# Altium PCB STB_LightBoard.PcbDoc (part 26 of 31) (continued)
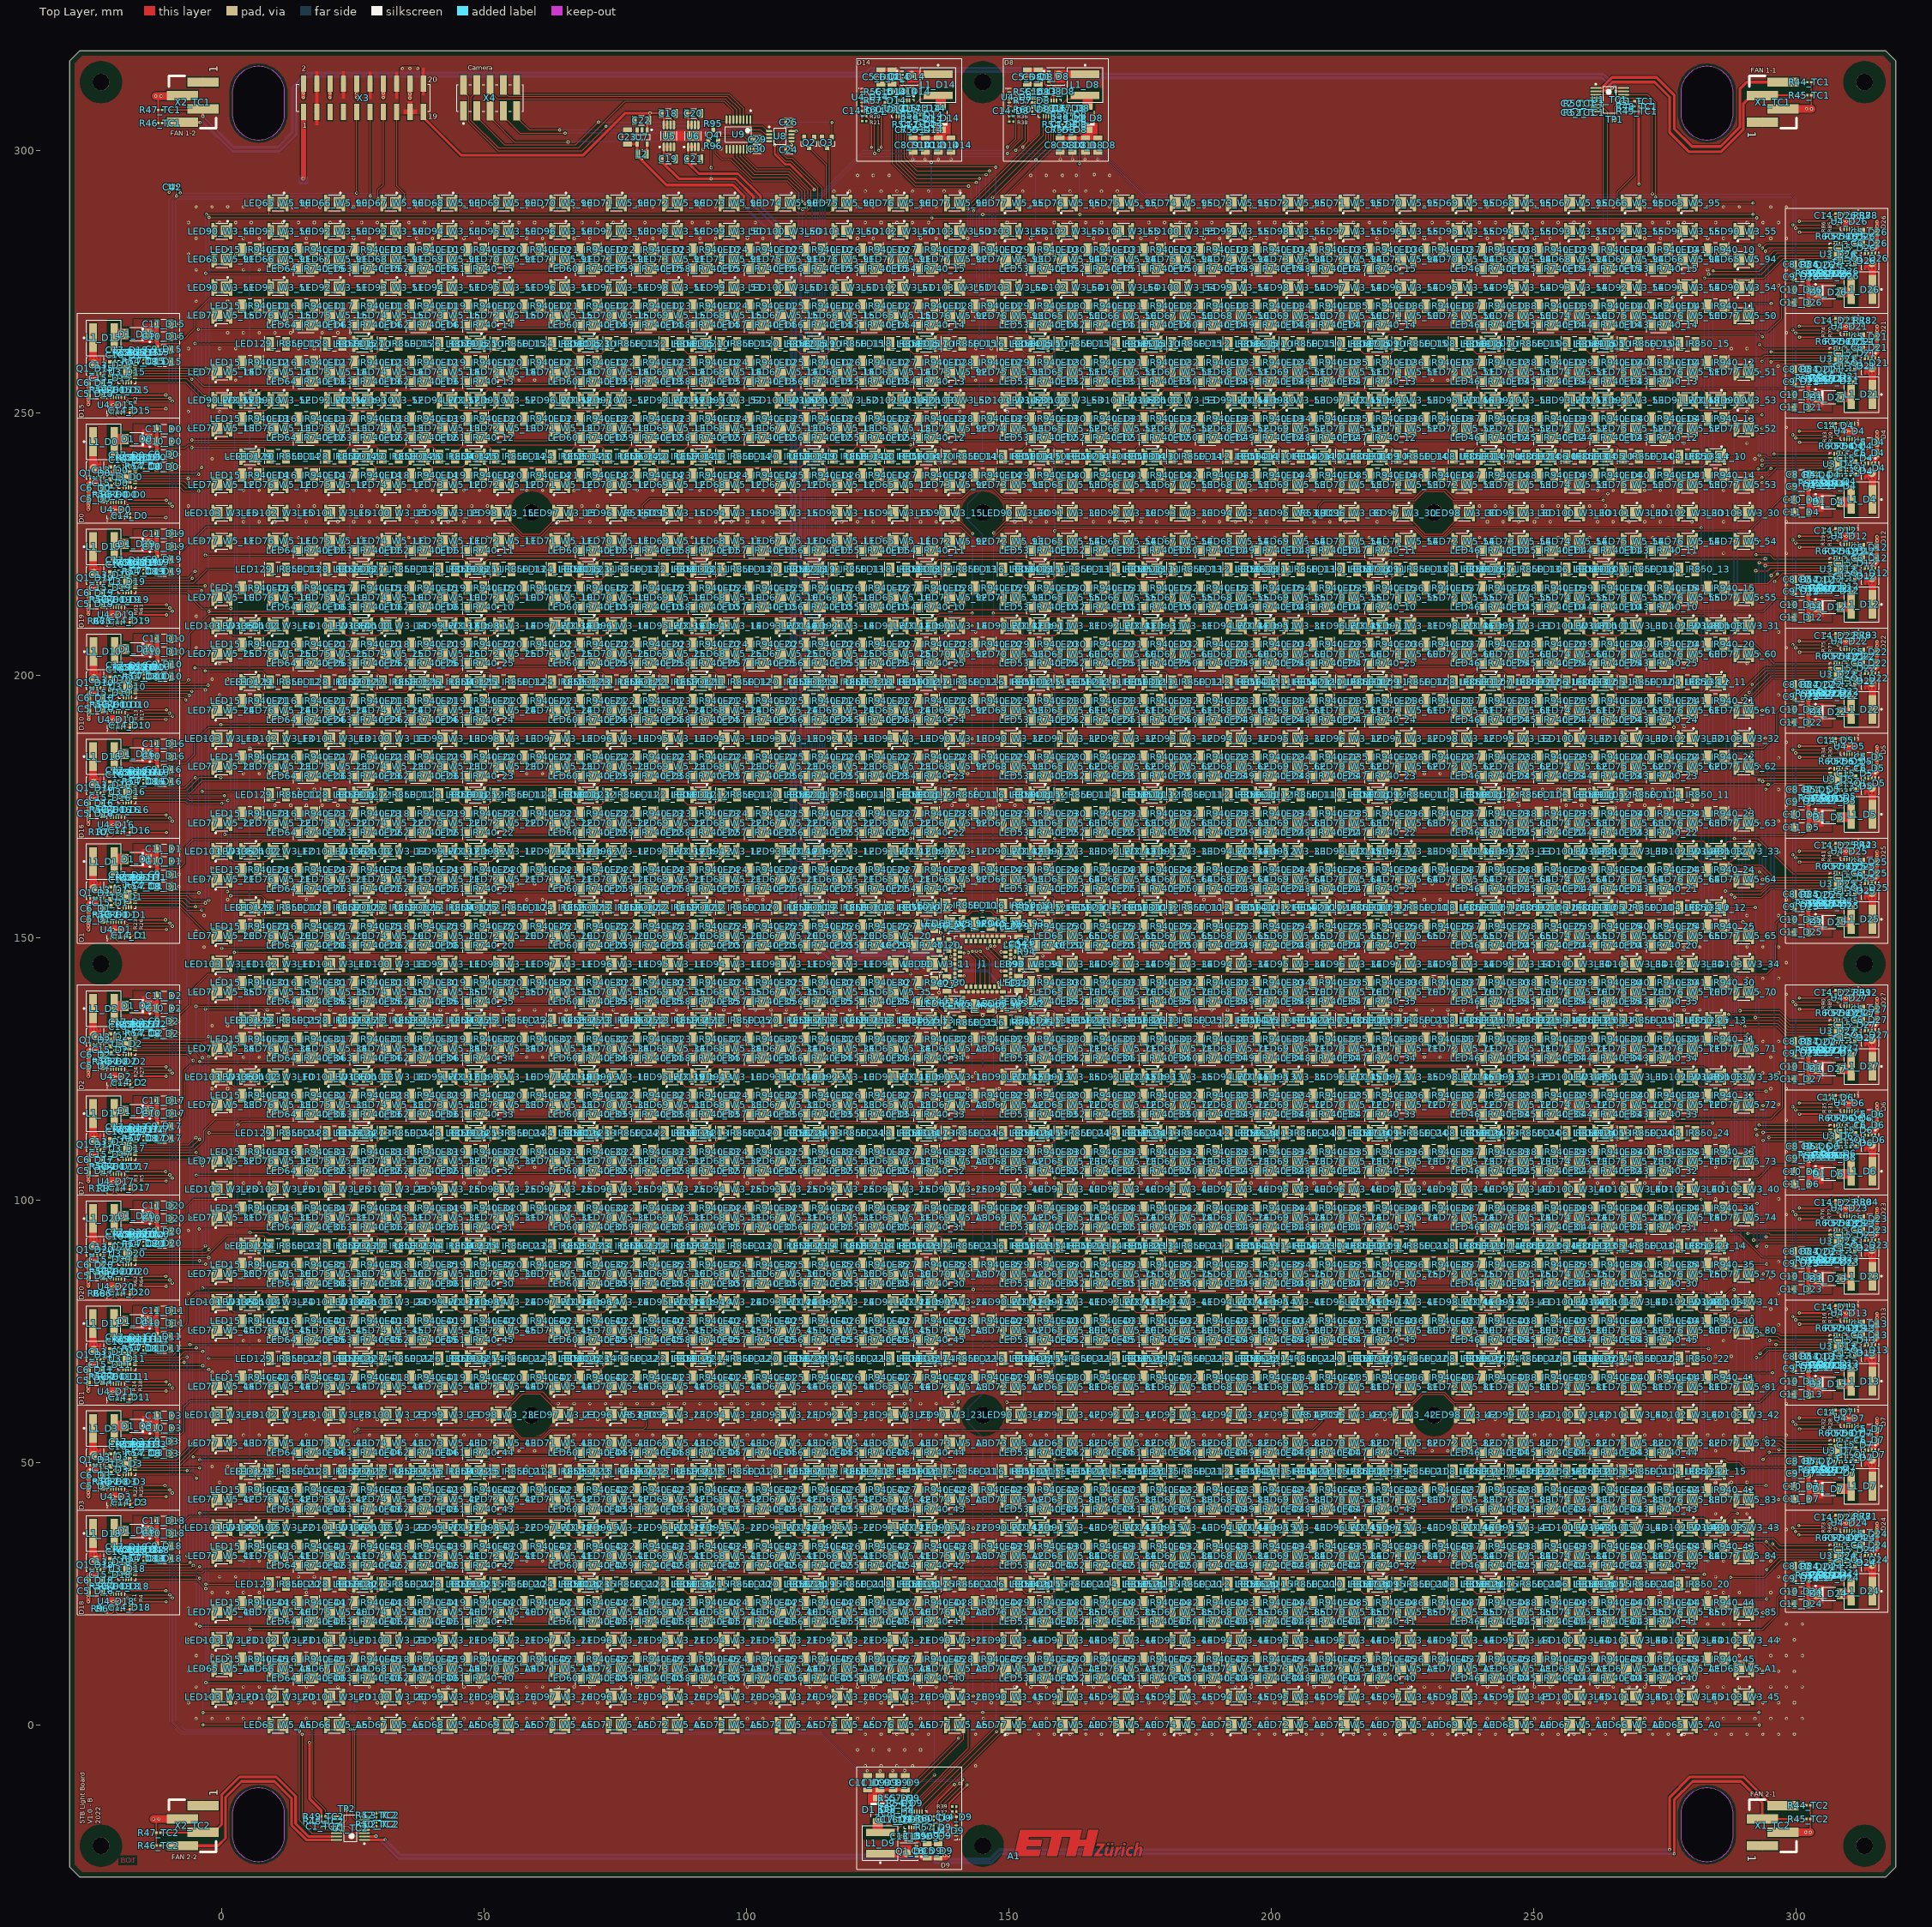
[diagram p0: Top Layer view]
## Nets (pads, with @x,y where several pads share a name; then routed paths per layer and width w, separated by ;. In a path a pad name is that pad's centre, name@x,y a point inside that pad or via, vN(x,y) a via of type N, cw(c..) or ccw(c..) an arc to the next point about the centre after c; other vN are vias at no path point) (continued)
NetLED94_W3_31_1: LED94_W3_31.1 LED95_W3_31.2 | length 7.8
  Top Layer w0.2: LED94_W3_31.1@195.038,208.155 195.593,207.6 201.824,207.6 LED95_W3_31.2@202.379,208.155
NetLED94_W3_32_1: LED94_W3_32.1 LED95_W3_32.2 | length 9
  Top Layer w0.2: LED94_W3_32.1@193.973,187.95 LED94_W3_32.1@195.038,187.95 LED95_W3_32.2@202.379,187.95 LED95_W3_32.2@202.969,187.95
NetLED94_W3_33_1: LED94_W3_33.1 LED95_W3_33.2 | length 9.1
  Top Layer w0.2: LED94_W3_33.1@195.038,165.195 195.633,164.6 201.784,164.6 202.179,164.995 202.379,165.195 LED95_W3_33.2@202.379,166.47
NetLED94_W3_34_1: LED94_W3_34.1 LED95_W3_34.2 | length 9
  Top Layer w0.2: LED94_W3_34.1@194.138,144.99 194.728,144.99 202.069,144.99 LED95_W3_34.2@203.134,144.99
NetLED94_W3_35_1: LED94_W3_35.1 LED95_W3_35.2 | length 8.9
  Top Layer w0.2: LED94_W3_35.1@193.973,123.51 LED94_W3_35.1@195.038,123.51 ; LED94_W3_35.1@195.038,122.235 195.633,121.64 201.784,121.64 202.179,122.035 LED95_W3_35.2@202.379,122.235
NetLED94_W3_40_1: LED94_W3_40.1 LED95_W3_40.2 | length 9
  Top Layer w0.2: LED94_W3_40.1@193.338,102.03 193.928,102.03 201.269,102.03 LED95_W3_40.2@202.334,102.03
NetLED94_W3_41_1: LED94_W3_41.1 LED95_W3_41.2 | length 9.2
  Top Layer w0.2: LED94_W3_41.1@195.038,79.275 195.713,78.6 201.664,78.6 201.764,78.7 201.804,78.7 202.379,79.275 LED95_W3_41.2@202.379,80.55
NetLED94_W3_42_1: LED94_W3_42.1 LED95_W3_42.2 | length 27
  Top Layer w0.2: LED94_W3_42.1@193.998,59.07 194.588,59.07 201.929,59.07 LED95_W3_42.2@202.994,59.07 ; LED94_W3_42.1@194.821,59.08 193.756,59.08 LED94_W3_42.1@194.821,59.08 ; LED94_W3_42.1@194.821,59.08 LED95_W3_42.2@202.162,59.08 ; LED94_W3_42.1@194.821,59.08 LED95_W3_42.2@202.162,59.08 ; LED95_W3_42.2@202.162,59.08 202.752,59.08 LED95_W3_42.2@202.162,59.08
NetLED94_W3_43_1: LED94_W3_43.1 LED95_W3_43.2 | length 9.1
  Top Layer w0.2: LED94_W3_43.1@195.038,36.315 195.633,35.72 201.784,35.72 202.179,36.115 202.379,36.315 LED95_W3_43.2@202.379,37.59
NetLED94_W3_44_1: LED94_W3_44.1 LED95_W3_44.2 | length 18.5
  Top Layer w0.2: LED94_W3_44.1@195.038,16.11 LED94_W3_44.1@193.973,16.11 ; LED95_W3_44.2@202.379,16.11 LED94_W3_44.1@193.973,16.11 ; LED95_W3_44.2@202.969,16.11 LED94_W3_44.1@193.973,16.11
NetLED94_W3_45_1: LED94_W3_45.1 LED95_W3_45.2 | length 18.5
  Top Layer w0.2: LED94_W3_45.1@195.038,5.37 LED94_W3_45.1@193.973,5.37 ; LED95_W3_45.2@202.379,5.37 LED94_W3_45.1@193.973,5.37 ; LED95_W3_45.2@202.969,5.37 LED94_W3_45.1@193.973,5.37
NetLED94_W3_50_1: LED94_W3_50.1 LED95_W3_50.2 | length 18
  Top Layer w0.2: LED95_W3_50.2@51.772,284.6 44.431,284.6 43.841,284.6 LED95_W3_50.2@51.772,284.6 ; LED95_W3_50.2@51.772,284.6 52.837,284.6 LED95_W3_50.2@51.772,284.6
NetLED94_W3_51_1: LED94_W3_51.1 LED95_W3_51.2 | length 18
  Top Layer w0.2: LED94_W3_51.1@43.141,273.89 43.731,273.89 51.072,273.89 52.137,273.89 44.664,273.89 LED94_W3_51.1@43.141,273.89
NetLED94_W3_52_1: LED94_W3_52.1 LED95_W3_52.2 | length 11.4
  Top Layer w0.2: LED94_W3_52.1@43.599,252.39 44.588,252.39 LED94_W3_52.1@44.611,252.368 ; LED94_W3_52.1@44.664,252.39 44.664,251.115 45.279,250.5 51.39,250.5 52.005,251.115 LED95_W3_52.2@52.005,252.39
NetLED94_W3_53_1: LED94_W3_53.1 LED95_W3_53.2 | length 14
  Top Layer w0.2: LED94_W3_53.1@245.395,252.368 245.418,252.39 LED94_W3_53.1@246.408,252.39 ; LED95_W3_53.2@238.001,251.115 238.001,252.39 LED95_W3_53.2@238.001,251.115 ; LED95_W3_53.2@238.001,251.115 238.616,250.5 244.727,250.5 LED94_W3_53.1@245.342,251.115 ; LED94_W3_53.1@245.342,251.115 LED94_W3_53.1@245.343,252.39 LED94_W3_53.1@245.342,251.115
NetLED94_W3_54_1: LED94_W3_54.1 LED95_W3_54.2 | length 18
  Top Layer w0.2: LED95_W3_54.2@237.629,273.86 238.219,273.86 245.56,273.86 246.625,273.86 245.343,273.86 LED95_W3_54.2@237.629,273.86
NetLED94_W3_55_1: LED94_W3_55.1 LED95_W3_55.2 | length 9
  Top Layer w0.2: LED95_W3_55.2@237.387,284.61 238.452,284.61 245.793,284.61 LED94_W3_55.1@246.383,284.61
NetLED95_W3_10_1: LED95_W3_10.1 LED96_W3_10.2 | length 9
  Top Layer w0.2: LED96_W3_10.2@76.297,123.51 LED96_W3_10.2@76.887,123.51 LED95_W3_10.1@84.228,123.51 LED95_W3_10.1@85.293,123.51
NetLED95_W3_11_1: LED95_W3_11.1 LED96_W3_11.2 | length 9
  Top Layer w0.2: LED96_W3_11.2@76.297,144.99 LED96_W3_11.2@76.887,144.99 LED95_W3_11.1@84.228,144.99 LED95_W3_11.1@85.293,144.99
NetLED95_W3_12_1: LED95_W3_12.1 LED96_W3_12.2 | length 9
  Top Layer w0.2: LED96_W3_12.2@76.297,166.47 LED96_W3_12.2@76.887,166.47 LED95_W3_12.1@84.228,166.47 LED95_W3_12.1@85.293,166.47
NetLED95_W3_13_1: LED95_W3_13.1 LED96_W3_13.2 | length 9
  Top Layer w0.2: LED96_W3_13.2@76.297,187.95 LED96_W3_13.2@76.887,187.95 LED95_W3_13.1@84.228,187.95 LED95_W3_13.1@85.293,187.95
NetLED95_W3_14_1: LED95_W3_14.1 LED96_W3_14.2 | length 9
  Top Layer w0.2: LED96_W3_14.2@76.297,209.43 LED96_W3_14.2@76.887,209.43 LED95_W3_14.1@84.228,209.43 LED95_W3_14.1@85.293,209.43
NetLED95_W3_15_1: LED95_W3_15.1 LED96_W3_15.2 | length 20.5
  Top Layer w0.2: LED96_W3_15.2@76.272,230.91 76.514,230.91 LED96_W3_15.2@76.887,230.91 ; LED96_W3_15.2@77.104,230.91 LED96_W3_15.2@76.887,230.91 ; LED95_W3_15.1@84.228,230.91 84.228,229.877 LED95_W3_15.1@84.028,229.677 ; LED95_W3_15.1@84.445,230.9 84.678,230.9 LED95_W3_15.1@85.268,230.9 ; LED95_W3_15.1@84.445,230.91 84.678,230.91 LED95_W3_15.1@85.268,230.91 ; LED96_W3_15.2@76.423,230.446 LED96_W3_15.2@76.887,230.91 ; LED96_W3_15.2@76.423,230.446 LED96_W3_15.2@76.887,230.91 ; LED96_W3_15.2@76.423,230.446 76.423,229.924 76.487,229.86 76.704,229.86 LED96_W3_15.2@76.887,229.677 ; LED96_W3_15.2@76.887,229.677 LED95_W3_15.1@84.028,229.677 ; LED96_W3_15.2@76.887,229.677 LED95_W3_15.1@84.028,229.677
NetLED95_W3_20_1: LED95_W3_20.1 LED96_W3_20.2 | length 9
  Top Layer w0.2: LED96_W3_20.2@76.297,5.37 LED96_W3_20.2@76.887,5.37 LED95_W3_20.1@84.228,5.37 LED95_W3_20.1@85.293,5.37
NetLED95_W3_21_1: LED95_W3_21.1 LED96_W3_21.2 | length 9
  Top Layer w0.2: LED96_W3_21.2@76.297,16.11 LED96_W3_21.2@76.887,16.11 LED95_W3_21.1@84.228,16.11 LED95_W3_21.1@85.293,16.11
NetLED95_W3_22_1: LED95_W3_22.1 LED96_W3_22.2 | length 9
  Top Layer w0.2: LED96_W3_22.2@76.297,37.59 LED96_W3_22.2@76.887,37.59 LED95_W3_22.1@84.228,37.59 LED95_W3_22.1@85.293,37.59
NetLED95_W3_23_1: LED95_W3_23.1 LED96_W3_23.2 | length 19.4
  Top Layer w0.2: LED96_W3_23.2@76.272,59.07 76.514,59.07 LED96_W3_23.2@76.887,59.07 ; LED96_W3_23.2@77.104,59.07 LED96_W3_23.2@76.887,59.07 ; LED95_W3_23.1@84.228,60.103 LED95_W3_23.1@84.028,60.303 ; LED95_W3_23.1@84.445,59.07 84.678,59.07 LED95_W3_23.1@85.268,59.07 ; LED95_W3_23.1@84.445,59.08 84.678,59.08 LED95_W3_23.1@85.268,59.08 ; LED96_W3_23.2@76.423,59.534 LED96_W3_23.2@76.887,59.07 ; LED96_W3_23.2@76.423,59.534 LED96_W3_23.2@76.887,59.07 ; LED96_W3_23.2@76.423,59.534 76.423,60.056 76.487,60.12 76.704,60.12 LED96_W3_23.2@76.887,60.303 ; LED96_W3_23.2@76.887,60.303 LED95_W3_23.1@84.028,60.303 ; LED96_W3_23.2@76.887,60.303 LED95_W3_23.1@84.028,60.303
NetLED95_W3_24_1: LED95_W3_24.1 LED96_W3_24.2 | length 9
  Top Layer w0.2: LED96_W3_24.2@76.297,80.55 LED96_W3_24.2@76.887,80.55 LED95_W3_24.1@84.228,80.55 LED95_W3_24.1@85.293,80.55
NetLED95_W3_25_1: LED95_W3_25.1 LED96_W3_25.2 | length 9
  Top Layer w0.2: LED96_W3_25.2@76.297,102.03 LED96_W3_25.2@76.887,102.03 LED95_W3_25.1@84.228,102.03 LED95_W3_25.1@85.293,102.03
NetLED95_W3_30_1: LED95_W3_30.1 LED96_W3_30.2 | length 12.5
  Top Layer w0.2: LED95_W3_30.1@205.779,230.91 205.779,230.068 205.979,229.868 212.92,229.868 213.12,230.068 LED96_W3_30.2@213.12,230.91 ; LED95_W3_30.1@205.096,230.9 204.506,230.9 LED95_W3_30.1@205.096,230.9 ; LED95_W3_30.1@205.096,230.9 205.779,230.9 LED95_W3_30.1@205.096,230.9 ; LED96_W3_30.2@213.12,230.9 213.502,230.9 LED96_W3_30.2@213.12,230.9
NetLED95_W3_31_1: LED95_W3_31.1 LED96_W3_31.2 | length 9
  Top Layer w0.2: LED95_W3_31.1@204.714,209.43 LED95_W3_31.1@205.779,209.43 LED96_W3_31.2@213.12,209.43 LED96_W3_31.2@213.71,209.43
NetLED95_W3_32_1: LED95_W3_32.1 LED96_W3_32.2 | length 9
  Top Layer w0.2: LED95_W3_32.1@204.714,187.95 LED95_W3_32.1@205.779,187.95 LED96_W3_32.2@213.12,187.95 LED96_W3_32.2@213.71,187.95
NetLED95_W3_33_1: LED95_W3_33.1 LED96_W3_33.2 | length 8.2
  Top Layer w0.2: LED95_W3_33.1@205.189,166.47 LED95_W3_33.1@205.779,166.47 LED96_W3_33.2@213.12,166.47 LED96_W3_33.2@213.364,166.47
NetLED95_W3_34_1: LED95_W3_34.1 LED96_W3_34.2 | length 9
  Top Layer w0.2: LED95_W3_34.1@204.879,144.99 205.469,144.99 212.81,144.99 LED96_W3_34.2@213.875,144.99
NetLED95_W3_35_1: LED95_W3_35.1 LED96_W3_35.2 | length 7.9
  Top Layer w0.2: LED95_W3_35.1@205.189,123.51 LED95_W3_35.1@205.779,123.51 LED96_W3_35.2@213.12,123.51
NetLED95_W3_40_1: LED95_W3_40.1 LED96_W3_40.2 | length 9
  Top Layer w0.2: LED95_W3_40.1@204.079,102.03 204.669,102.03 212.01,102.03 LED96_W3_40.2@213.075,102.03
NetLED95_W3_41_1: LED95_W3_41.1 LED96_W3_41.2 | length 8.4
  Top Layer w0.2: LED95_W3_41.1@204.714,80.55 LED95_W3_41.1@205.779,80.55 LED96_W3_41.2@213.12,80.55
NetLED95_W3_42_1: LED95_W3_42.1 LED96_W3_42.2 | length 12.3
  Top Layer w0.2: LED95_W3_42.1@204.739,59.07 205.329,59.07 LED95_W3_42.1@205.562,59.07 ; LED95_W3_42.1@204.739,59.08 205.329,59.08 LED95_W3_42.1@205.562,59.08 ; LED95_W3_42.1@205.779,60.103 205.979,60.303 213.12,60.303 213.303,60.12 213.52,60.12 213.584,60.056 LED96_W3_42.2@213.584,59.534 ; LED96_W3_42.2@212.903,59.07 LED96_W3_42.2@213.12,59.07 ; LED96_W3_42.2@213.735,59.07 213.493,59.07 LED96_W3_42.2@213.12,59.07 ; LED96_W3_42.2@213.12,59.07 LED96_W3_42.2@213.584,59.534 ; LED96_W3_42.2@213.12,59.07 LED96_W3_42.2@213.584,59.534
NetLED95_W3_43_1: LED95_W3_43.1 LED96_W3_43.2 | length 9
  Top Layer w0.2: LED95_W3_43.1@204.714,37.59 LED95_W3_43.1@205.779,37.59 LED96_W3_43.2@213.12,37.59 LED96_W3_43.2@213.71,37.59
NetLED95_W3_44_1: LED95_W3_44.1 LED96_W3_44.2 | length 18.5
  Top Layer w0.2: LED95_W3_44.1@205.779,16.11 LED95_W3_44.1@204.714,16.11 ; LED96_W3_44.2@213.12,16.11 LED95_W3_44.1@204.714,16.11 ; LED96_W3_44.2@213.71,16.11 LED95_W3_44.1@204.714,16.11
NetLED95_W3_45_1: LED95_W3_45.1 LED96_W3_45.2 | length 18.5
  Top Layer w0.2: LED95_W3_45.1@205.779,5.37 LED95_W3_45.1@204.714,5.37 ; LED96_W3_45.2@213.12,5.37 LED95_W3_45.1@204.714,5.37 ; LED96_W3_45.2@213.71,5.37 LED95_W3_45.1@204.714,5.37
NetLED95_W3_50_1: LED95_W3_50.1 LED96_W3_50.2 | length 18
  Top Layer w0.2: LED96_W3_50.2@62.513,284.6 55.172,284.6 54.582,284.6 LED96_W3_50.2@62.513,284.6 ; LED96_W3_50.2@62.513,284.6 63.578,284.6 LED96_W3_50.2@62.513,284.6
NetLED95_W3_51_1: LED95_W3_51.1 LED96_W3_51.2 | length 18
  Top Layer w0.2: LED95_W3_51.1@53.882,273.89 54.472,273.89 61.813,273.89 62.878,273.89 55.405,273.89 LED95_W3_51.1@53.882,273.89
NetLED95_W3_52_1: LED95_W3_52.1 LED96_W3_52.2 | length 8.4
  Top Layer w0.2: LED95_W3_52.1@54.34,252.39 LED95_W3_52.1@55.405,252.39 LED96_W3_52.2@62.746,252.39
NetLED95_W3_53_1: LED95_W3_53.1 LED96_W3_53.2 | length 7.9
  Top Layer w0.2: LED96_W3_53.2@226.671,252.39 LED96_W3_53.2@227.261,252.39 LED95_W3_53.1@234.602,252.39
NetLED95_W3_54_1: LED95_W3_54.1 LED96_W3_54.2 | length 18
  Top Layer w0.2: LED96_W3_54.2@226.888,273.86 227.478,273.86 234.819,273.86 235.884,273.86 234.602,273.86 LED96_W3_54.2@226.888,273.86
NetLED95_W3_55_1: LED95_W3_55.1 LED96_W3_55.2 | length 9
  Top Layer w0.2: LED96_W3_55.2@226.646,284.61 227.711,284.61 235.052,284.61 LED95_W3_55.1@235.642,284.61
NetLED96_W3_10_1: LED96_W3_10.1 LED97_W3_10.2 | length 9.1
  Top Layer w0.2: LED97_W3_10.2@66.146,122.235 66.741,121.64 72.892,121.64 73.287,122.035 73.487,122.235 LED96_W3_10.1@73.487,123.51
NetLED96_W3_11_1: LED96_W3_11.1 LED97_W3_11.2 | length 9
  Top Layer w0.2: LED97_W3_11.2@65.556,144.99 LED97_W3_11.2@66.146,144.99 LED96_W3_11.1@73.487,144.99 LED96_W3_11.1@74.552,144.99
NetLED96_W3_12_1: LED96_W3_12.1 LED97_W3_12.2 | length 9.1
  Top Layer w0.2: LED97_W3_12.2@66.146,165.195 66.741,164.6 72.892,164.6 73.287,164.995 73.487,165.195 LED96_W3_12.1@73.487,166.47
NetLED96_W3_13_1: LED96_W3_13.1 LED97_W3_13.2 | length 9
  Top Layer w0.2: LED97_W3_13.2@65.556,187.95 LED97_W3_13.2@66.146,187.95 LED96_W3_13.1@73.487,187.95 LED96_W3_13.1@74.552,187.95
NetLED96_W3_14_1: LED96_W3_14.1 LED97_W3_14.2 | length 12
  Top Layer w0.2: LED97_W3_14.2@65.556,209.43 LED97_W3_14.2@66.146,209.43 66.146,208.155 66.701,207.6 72.932,207.6 73.487,208.155 LED96_W3_14.1@73.487,209.43 LED96_W3_14.1@74.552,209.43
NetLED96_W3_15_1: LED96_W3_15.1 LED97_W3_15.2 | length 15.9
  Top Layer w0.2: LED97_W3_15.2@66.363,230.9 66.646,230.9 73.487,230.9 73.704,230.9 74.552,230.9 LED96_W3_15.1@74.769,230.9 ; LED97_W3_15.2@66.446,230.91 LED97_W3_15.2@66.646,230.91 LED96_W3_15.1@73.487,230.91 LED96_W3_15.1@73.937,230.91
NetLED96_W3_20_1: LED96_W3_20.1 LED97_W3_20.2 | length 9
  Top Layer w0.2: LED97_W3_20.2@65.556,5.37 LED97_W3_20.2@66.146,5.37 LED96_W3_20.1@73.487,5.37 LED96_W3_20.1@74.552,5.37
NetLED96_W3_21_1: LED96_W3_21.1 LED97_W3_21.2 | length 9
  Top Layer w0.2: LED97_W3_21.2@65.556,16.11 LED97_W3_21.2@66.146,16.11 LED96_W3_21.1@73.487,16.11 LED96_W3_21.1@74.552,16.11
NetLED96_W3_22_1: LED96_W3_22.1 LED97_W3_22.2 | length 9.1
  Top Layer w0.2: LED97_W3_22.2@66.146,36.315 66.741,35.72 72.892,35.72 73.287,36.115 73.487,36.315 LED96_W3_22.1@73.487,37.59
NetLED96_W3_23_1: LED96_W3_23.1 LED97_W3_23.2 | length 24.2
  Top Layer w0.2: LED97_W3_23.2@66.596,59.07 LED96_W3_23.1@73.937,59.07 ; LED97_W3_23.2@66.363,59.08 73.704,59.08 74.769,59.08 LED97_W3_23.2@66.363,59.08
NetLED96_W3_24_1: LED96_W3_24.1 LED97_W3_24.2 | length 9.1
  Top Layer w0.2: LED97_W3_24.2@66.146,79.275 66.741,78.68 72.892,78.68 73.287,79.075 73.487,79.275 LED96_W3_24.1@73.487,80.55
NetLED96_W3_25_1: LED96_W3_25.1 LED97_W3_25.2 | length 9
  Top Layer w0.2: LED97_W3_25.2@65.556,102.03 LED97_W3_25.2@66.146,102.03 LED96_W3_25.1@73.487,102.03 LED96_W3_25.1@74.552,102.03
NetLED96_W3_30_1: LED96_W3_30.1 LED97_W3_30.2 | length 8.7
  Top Layer w0.2: LED96_W3_30.1@215.247,230.9 215.455,230.9 215.837,230.9 216.52,230.9 223.178,230.9 LED97_W3_30.2@223.918,230.9
NetLED96_W3_31_1: LED96_W3_31.1 LED97_W3_31.2 | length 7.8
  Top Layer w0.2: LED96_W3_31.1@216.52,208.155 217.075,207.6 223.306,207.6 LED97_W3_31.2@223.861,208.155
NetLED96_W3_32_1: LED96_W3_32.1 LED97_W3_32.2 | length 8.4
  Top Layer w0.2: LED96_W3_32.1@215.455,187.95 LED96_W3_32.1@216.52,187.95 LED97_W3_32.2@223.861,187.95
NetLED96_W3_33_1: LED96_W3_33.1 LED97_W3_33.2 | length 9.1
  Top Layer w0.2: LED96_W3_33.1@216.52,165.195 217.115,164.6 223.266,164.6 223.661,164.995 223.861,165.195 LED97_W3_33.2@223.861,166.47
NetLED96_W3_34_1: LED96_W3_34.1 LED97_W3_34.2 | length 9
  Top Layer w0.2: LED96_W3_34.1@215.62,144.99 216.21,144.99 223.551,144.99 LED97_W3_34.2@224.616,144.99
NetLED96_W3_35_1: LED96_W3_35.1 LED97_W3_35.2 | length 7.8
  Top Layer w0.2: LED96_W3_35.1@216.52,122.235 217.115,121.64 223.266,121.64 223.661,122.035 LED97_W3_35.2@223.861,122.235
NetLED96_W3_40_1: LED96_W3_40.1 LED97_W3_40.2 | length 9
  Top Layer w0.2: LED96_W3_40.1@214.82,102.03 215.41,102.03 222.751,102.03 LED97_W3_40.2@223.816,102.03
NetLED96_W3_41_1: LED96_W3_41.1 LED97_W3_41.2 | length 9.2
  Top Layer w0.2: LED96_W3_41.1@216.52,79.275 217.195,78.6 223.146,78.6 223.246,78.7 223.286,78.7 223.861,79.275 LED97_W3_41.2@223.861,80.55
NetLED96_W3_42_1: LED96_W3_42.1 LED97_W3_42.2 | length 24.2
  Top Layer w0.2: LED96_W3_42.1@216.07,59.07 LED97_W3_42.2@223.411,59.07 ; LED96_W3_42.1@215.238,59.08 216.303,59.08 223.644,59.08 LED96_W3_42.1@215.238,59.08
NetLED96_W3_43_1: LED96_W3_43.1 LED97_W3_43.2 | length 9.1
  Top Layer w0.2: LED96_W3_43.1@216.52,36.315 217.115,35.72 223.266,35.72 223.661,36.115 223.861,36.315 LED97_W3_43.2@223.861,37.59
NetLED96_W3_44_1: LED96_W3_44.1 LED97_W3_44.2 | length 18.5
  Top Layer w0.2: LED96_W3_44.1@216.52,16.11 LED96_W3_44.1@215.455,16.11 ; LED97_W3_44.2@223.861,16.11 LED96_W3_44.1@215.455,16.11 ; LED97_W3_44.2@224.451,16.11 LED96_W3_44.1@215.455,16.11
NetLED96_W3_45_1: LED96_W3_45.1 LED97_W3_45.2 | length 18.5
  Top Layer w0.2: LED96_W3_45.1@216.52,5.37 LED96_W3_45.1@215.455,5.37 ; LED97_W3_45.2@223.861,5.37 LED96_W3_45.1@215.455,5.37 ; LED97_W3_45.2@224.451,5.37 LED96_W3_45.1@215.455,5.37
NetLED96_W3_50_1: LED96_W3_50.1 LED97_W3_50.2 | length 18
  Top Layer w0.2: LED97_W3_50.2@73.254,284.6 65.913,284.6 65.323,284.6 LED97_W3_50.2@73.254,284.6 ; LED97_W3_50.2@73.254,284.6 74.319,284.6 LED97_W3_50.2@73.254,284.6
NetLED96_W3_51_1: LED96_W3_51.1 LED97_W3_51.2 | length 18
  Top Layer w0.2: LED96_W3_51.1@64.623,273.89 65.213,273.89 72.554,273.89 73.619,273.89 66.146,273.89 LED96_W3_51.1@64.623,273.89
NetLED96_W3_52_1: LED96_W3_52.1 LED97_W3_52.2 | length 11.4
  Top Layer w0.2: LED96_W3_52.1@65.081,252.39 66.07,252.39 LED96_W3_52.1@66.093,252.368 ; LED96_W3_52.1@66.146,252.39 66.146,251.115 66.761,250.5 72.872,250.5 73.487,251.115 LED97_W3_52.2@73.487,252.39
NetLED96_W3_53_1: LED96_W3_53.1 LED97_W3_53.2 | length 14
  Top Layer w0.2: LED96_W3_53.1@223.913,252.368 223.936,252.39 LED96_W3_53.1@224.925,252.39 ; LED97_W3_53.2@216.519,251.115 LED97_W3_53.2@216.52,252.39 LED97_W3_53.2@216.519,251.115 ; LED97_W3_53.2@216.519,251.115 217.134,250.5 223.245,250.5 LED96_W3_53.1@223.86,251.115 ; LED96_W3_53.1@223.86,251.115 223.86,252.39 LED96_W3_53.1@223.86,251.115
NetLED96_W3_54_1: LED96_W3_54.1 LED97_W3_54.2 | length 18
  Top Layer w0.2: LED97_W3_54.2@216.147,273.86 216.737,273.86 224.078,273.86 225.143,273.86 223.861,273.86 LED97_W3_54.2@216.147,273.86
NetLED96_W3_55_1: LED96_W3_55.1 LED97_W3_55.2 | length 9
  Top Layer w0.2: LED97_W3_55.2@215.905,284.61 216.97,284.61 224.311,284.61 LED96_W3_55.1@224.901,284.61
NetLED97_W3_10_1: LED97_W3_10.1 LED98_W3_10.2 | length 9
  Top Layer w0.2: LED98_W3_10.2@54.815,123.51 LED98_W3_10.2@55.405,123.51 LED97_W3_10.1@62.746,123.51 LED97_W3_10.1@63.811,123.51
NetLED97_W3_11_1: LED97_W3_11.1 LED98_W3_11.2 | length 9
  Top Layer w0.2: LED98_W3_11.2@54.815,144.99 LED98_W3_11.2@55.405,144.99 LED97_W3_11.1@62.746,144.99 LED97_W3_11.1@63.811,144.99
NetLED97_W3_12_1: LED97_W3_12.1 LED98_W3_12.2 | length 9
  Top Layer w0.2: LED98_W3_12.2@54.815,166.47 LED98_W3_12.2@55.405,166.47 LED97_W3_12.1@62.746,166.47 LED97_W3_12.1@63.811,166.47
NetLED97_W3_13_1: LED97_W3_13.1 LED98_W3_13.2 | length 9
  Top Layer w0.2: LED98_W3_13.2@54.815,187.95 LED98_W3_13.2@55.405,187.95 LED97_W3_13.1@62.746,187.95 LED97_W3_13.1@63.811,187.95
NetLED97_W3_14_1: LED97_W3_14.1 LED98_W3_14.2 | length 9
  Top Layer w0.2: LED98_W3_14.2@54.815,209.43 LED98_W3_14.2@55.405,209.43 LED97_W3_14.1@62.746,209.43 LED97_W3_14.1@63.811,209.43
NetLED97_W3_15_1: LED97_W3_15.1 LED98_W3_15.2 | length 14.1
  Top Layer w0.2: LED98_W3_15.2@54.927,231.232 55.042,231.117 55.042,229.152 57.294,226.9 60.662,226.9 63.046,229.284 63.046,231.204 LED97_W3_15.1@63.151,231.309
NetLED97_W3_20_1: LED97_W3_20.1 LED98_W3_20.2 | length 9
  Top Layer w0.2: LED98_W3_20.2@54.815,5.37 LED98_W3_20.2@55.405,5.37 LED97_W3_20.1@62.746,5.37 LED97_W3_20.1@63.811,5.37
NetLED97_W3_21_1: LED97_W3_21.1 LED98_W3_21.2 | length 9
  Top Layer w0.2: LED98_W3_21.2@54.815,16.11 LED98_W3_21.2@55.405,16.11 LED97_W3_21.1@62.746,16.11 LED97_W3_21.1@63.811,16.11
NetLED97_W3_22_1: LED97_W3_22.1 LED98_W3_22.2 | length 9
  Top Layer w0.2: LED98_W3_22.2@54.815,37.59 LED98_W3_22.2@55.405,37.59 LED97_W3_22.1@62.746,37.59 LED97_W3_22.1@63.811,37.59
NetLED97_W3_23_1: LED97_W3_23.1 LED98_W3_23.2 | length 13.4
  Top Layer w0.2: LED98_W3_23.2@54.8,59.008 55.042,59.25 55.042,60.828 57.294,63.08 60.662,63.08 63.046,60.696 63.046,59.507 LED97_W3_23.1@63.3,59.253
NetLED97_W3_24_1: LED97_W3_24.1 LED98_W3_24.2 | length 9
  Top Layer w0.2: LED98_W3_24.2@54.815,80.55 LED98_W3_24.2@55.405,80.55 LED97_W3_24.1@62.746,80.55 LED97_W3_24.1@63.811,80.55
NetLED97_W3_25_1: LED97_W3_25.1 LED98_W3_25.2 | length 9
  Top Layer w0.2: LED98_W3_25.2@54.815,102.03 LED98_W3_25.2@55.405,102.03 LED97_W3_25.1@62.746,102.03 LED97_W3_25.1@63.811,102.03
NetLED97_W3_30_1: LED97_W3_30.1 LED98_W3_30.2 | length 13.9
  Top Layer w0.2: LED97_W3_30.1@226.561,231.308 226.961,230.908 226.961,229.239 229.287,226.913 232.587,226.913 234.902,229.228 234.902,230.71 LED98_W3_30.2@235.102,230.91
NetLED97_W3_31_1: LED97_W3_31.1 LED98_W3_31.2 | length 9
  Top Layer w0.2: LED97_W3_31.1@226.196,209.43 LED97_W3_31.1@227.261,209.43 LED98_W3_31.2@234.602,209.43 LED98_W3_31.2@235.192,209.43
NetLED97_W3_32_1: LED97_W3_32.1 LED98_W3_32.2 | length 9
  Top Layer w0.2: LED97_W3_32.1@226.196,187.95 LED97_W3_32.1@227.261,187.95 LED98_W3_32.2@234.602,187.95 LED98_W3_32.2@235.192,187.95
NetLED97_W3_33_1: LED97_W3_33.1 LED98_W3_33.2 | length 8.2
  Top Layer w0.2: LED97_W3_33.1@226.671,166.47 LED97_W3_33.1@227.261,166.47 LED98_W3_33.2@234.602,166.47 LED98_W3_33.2@234.846,166.47
NetLED97_W3_34_1: LED97_W3_34.1 LED98_W3_34.2 | length 9
  Top Layer w0.2: LED97_W3_34.1@226.361,144.99 226.951,144.99 234.292,144.99 LED98_W3_34.2@235.357,144.99
NetLED97_W3_35_1: LED97_W3_35.1 LED98_W3_35.2 | length 7.9
  Top Layer w0.2: LED97_W3_35.1@226.671,123.51 LED97_W3_35.1@227.261,123.51 LED98_W3_35.2@234.602,123.51
NetLED97_W3_40_1: LED97_W3_40.1 LED98_W3_40.2 | length 9
  Top Layer w0.2: LED97_W3_40.1@225.561,102.03 226.151,102.03 233.492,102.03 LED98_W3_40.2@234.557,102.03
NetLED97_W3_41_1: LED97_W3_41.1 LED98_W3_41.2 | length 8.4
  Top Layer w0.2: LED97_W3_41.1@226.196,80.55 LED97_W3_41.1@227.261,80.55 LED98_W3_41.2@234.602,80.55
NetLED97_W3_42_1: LED97_W3_42.1 LED98_W3_42.2 | length 14
  Top Layer w0.2: LED97_W3_42.1@226.561,58.716 226.735,58.89 226.735,60.828 228.955,63.048 232.745,63.048 234.932,60.862 LED98_W3_42.2@234.932,59.114
NetLED97_W3_43_1: LED97_W3_43.1 LED98_W3_43.2 | length 9
  Top Layer w0.2: LED97_W3_43.1@226.196,37.59 LED97_W3_43.1@227.261,37.59 LED98_W3_43.2@234.602,37.59 LED98_W3_43.2@235.192,37.59
NetLED97_W3_44_1: LED97_W3_44.1 LED98_W3_44.2 | length 18.5
  Top Layer w0.2: LED97_W3_44.1@227.261,16.11 LED97_W3_44.1@226.196,16.11 ; LED98_W3_44.2@234.602,16.11 LED97_W3_44.1@226.196,16.11 ; LED98_W3_44.2@235.192,16.11 LED97_W3_44.1@226.196,16.11
NetLED97_W3_45_1: LED97_W3_45.1 LED98_W3_45.2 | length 18.5
  Top Layer w0.2: LED97_W3_45.1@227.261,5.37 LED97_W3_45.1@226.196,5.37 ; LED98_W3_45.2@234.602,5.37 LED97_W3_45.1@226.196,5.37 ; LED98_W3_45.2@235.192,5.37 LED97_W3_45.1@226.196,5.37
NetLED97_W3_50_1: LED97_W3_50.1 LED98_W3_50.2 | length 18
  Top Layer w0.2: LED98_W3_50.2@83.995,284.6 76.654,284.6 76.064,284.6 LED98_W3_50.2@83.995,284.6 ; LED98_W3_50.2@83.995,284.6 85.06,284.6 LED98_W3_50.2@83.995,284.6
NetLED97_W3_51_1: LED97_W3_51.1 LED98_W3_51.2 | length 18
  Top Layer w0.2: LED97_W3_51.1@75.364,273.89 75.954,273.89 83.295,273.89 84.36,273.89 76.887,273.89 LED97_W3_51.1@75.364,273.89
NetLED97_W3_52_1: LED97_W3_52.1 LED98_W3_52.2 | length 9
  Top Layer w0.2: LED97_W3_52.1@75.822,252.39 LED97_W3_52.1@76.887,252.39 LED98_W3_52.2@84.228,252.39 LED98_W3_52.2@84.818,252.39
NetLED97_W3_53_1: LED97_W3_53.1 LED98_W3_53.2 | length 7.9
  Top Layer w0.2: LED98_W3_53.2@205.189,252.39 LED98_W3_53.2@205.779,252.39 LED97_W3_53.1@213.12,252.39
NetLED97_W3_54_1: LED97_W3_54.1 LED98_W3_54.2 | length 18
  Top Layer w0.2: LED98_W3_54.2@205.406,273.86 205.996,273.86 213.337,273.86 214.402,273.86 213.12,273.86 LED98_W3_54.2@205.406,273.86
NetLED97_W3_55_1: LED97_W3_55.1 LED98_W3_55.2 | length 9
  Top Layer w0.2: LED98_W3_55.2@205.164,284.61 206.229,284.61 213.57,284.61 LED97_W3_55.1@214.16,284.61
NetLED98_W3_10_1: LED98_W3_10.1 LED99_W3_10.2 | length 9.1
  Top Layer w0.2: LED99_W3_10.2@44.664,122.235 45.259,121.64 51.41,121.64 51.805,122.035 52.005,122.235 LED98_W3_10.1@52.005,123.51
NetLED98_W3_11_1: LED98_W3_11.1 LED99_W3_11.2 | length 9
  Top Layer w0.2: LED99_W3_11.2@44.074,144.99 LED99_W3_11.2@44.664,144.99 LED98_W3_11.1@52.005,144.99 LED98_W3_11.1@53.07,144.99
NetLED98_W3_12_1: LED98_W3_12.1 LED99_W3_12.2 | length 9.1
  Top Layer w0.2: LED99_W3_12.2@44.664,165.195 45.259,164.6 51.41,164.6 51.805,164.995 52.005,165.195 LED98_W3_12.1@52.005,166.47
NetLED98_W3_13_1: LED98_W3_13.1 LED99_W3_13.2 | length 8.4
  Top Layer w0.2: LED99_W3_13.2@44.664,187.95 LED98_W3_13.1@52.005,187.95 LED98_W3_13.1@53.07,187.95
NetLED98_W3_14_1: LED98_W3_14.1 LED99_W3_14.2 | length 12
  Top Layer w0.2: LED99_W3_14.2@44.074,209.43 LED99_W3_14.2@44.664,209.43 44.664,208.155 45.219,207.6 51.45,207.6 52.005,208.155 LED98_W3_14.1@52.005,209.43 LED98_W3_14.1@53.07,209.43
NetLED98_W3_15_1: LED98_W3_15.1 LED99_W3_15.2 | length 8.4
  Top Layer w0.2: LED99_W3_15.2@44.664,230.91 52.005,230.91 LED98_W3_15.1@53.07,230.91
NetLED98_W3_20_1: LED98_W3_20.1 LED99_W3_20.2 | length 9
  Top Layer w0.2: LED99_W3_20.2@44.074,5.37 LED99_W3_20.2@44.664,5.37 LED98_W3_20.1@52.005,5.37 LED98_W3_20.1@53.07,5.37
NetLED98_W3_21_1: LED98_W3_21.1 LED99_W3_21.2 | length 9
  Top Layer w0.2: LED99_W3_21.2@44.074,16.11 LED99_W3_21.2@44.664,16.11 LED98_W3_21.1@52.005,16.11 LED98_W3_21.1@53.07,16.11
NetLED98_W3_22_1: LED98_W3_22.1 LED99_W3_22.2 | length 9.1
  Top Layer w0.2: LED99_W3_22.2@44.664,36.315 45.259,35.72 51.41,35.72 51.805,36.115 52.005,36.315 LED98_W3_22.1@52.005,37.59
NetLED98_W3_23_1: LED98_W3_23.1 LED99_W3_23.2 | length 8.4
  Top Layer w0.2: LED99_W3_23.2@44.664,59.07 52.005,59.07 LED98_W3_23.1@53.07,59.07
NetLED98_W3_24_1: LED98_W3_24.1 LED99_W3_24.2 | length 9.1
  Top Layer w0.2: LED99_W3_24.2@44.664,79.275 45.259,78.68 51.41,78.68 51.805,79.075 52.005,79.275 LED98_W3_24.1@52.005,80.55
NetLED98_W3_25_1: LED98_W3_25.1 LED99_W3_25.2 | length 9
  Top Layer w0.2: LED99_W3_25.2@44.074,102.03 LED99_W3_25.2@44.664,102.03 LED98_W3_25.1@52.005,102.03 LED98_W3_25.1@53.07,102.03
NetLED98_W3_30_1: LED98_W3_30.1 LED99_W3_30.2 | length 16.1
  Top Layer w0.2: LED98_W3_30.1@237.319,230.9 244.66,230.9 245.725,230.9 LED98_W3_30.1@238.002,230.9
NetLED98_W3_31_1: LED98_W3_31.1 LED99_W3_31.2 | length 7.8
  Top Layer w0.2: LED98_W3_31.1@238.002,208.155 238.557,207.6 244.788,207.6 LED99_W3_31.2@245.343,208.155
NetLED98_W3_32_1: LED98_W3_32.1 LED99_W3_32.2 | length 9
  Top Layer w0.2: LED98_W3_32.1@236.937,187.95 LED98_W3_32.1@238.002,187.95 LED99_W3_32.2@245.343,187.95 LED99_W3_32.2@245.933,187.95
NetLED98_W3_33_1: LED98_W3_33.1 LED99_W3_33.2 | length 9.1
  Top Layer w0.2: LED98_W3_33.1@238.002,165.195 238.597,164.6 244.748,164.6 245.143,164.995 245.343,165.195 LED99_W3_33.2@245.343,166.47
NetLED98_W3_34_1: LED98_W3_34.1 LED99_W3_34.2 | length 9
  Top Layer w0.2: LED98_W3_34.1@237.102,144.99 237.692,144.99 245.033,144.99 LED99_W3_34.2@246.098,144.99
NetLED98_W3_35_1: LED98_W3_35.1 LED99_W3_35.2 | length 7.8
  Top Layer w0.2: LED98_W3_35.1@238.002,122.235 238.597,121.64 244.748,121.64 245.143,122.035 LED99_W3_35.2@245.343,122.235
NetLED98_W3_40_1: LED98_W3_40.1 LED99_W3_40.2 | length 9
  Top Layer w0.2: LED98_W3_40.1@236.302,102.03 236.892,102.03 244.233,102.03 LED99_W3_40.2@245.298,102.03
NetLED98_W3_41_1: LED98_W3_41.1 LED99_W3_41.2 | length 9.2
  Top Layer w0.2: LED98_W3_41.1@238.002,79.275 238.677,78.6 244.628,78.6 244.728,78.7 244.768,78.7 245.343,79.275 LED99_W3_41.2@245.343,80.55
NetLED98_W3_42_1: LED98_W3_42.1 LED99_W3_42.2 | length 9.5
  Top Layer w0.2: LED98_W3_42.1@238.002,59.07 236.937,59.07 LED99_W3_42.2@245.343,59.07
NetLED98_W3_43_1: LED98_W3_43.1 LED99_W3_43.2 | length 9.1
  Top Layer w0.2: LED98_W3_43.1@238.002,36.315 238.597,35.72 244.748,35.72 245.143,36.115 245.343,36.315 LED99_W3_43.2@245.343,37.59
NetLED98_W3_44_1: LED98_W3_44.1 LED99_W3_44.2 | length 18.5
  Top Layer w0.2: LED98_W3_44.1@238.002,16.11 LED98_W3_44.1@236.937,16.11 ; LED99_W3_44.2@245.343,16.11 LED98_W3_44.1@236.937,16.11 ; LED99_W3_44.2@245.933,16.11 LED98_W3_44.1@236.937,16.11
NetLED98_W3_45_1: LED98_W3_45.1 LED99_W3_45.2 | length 18.5
  Top Layer w0.2: LED98_W3_45.1@238.002,5.37 LED98_W3_45.1@236.937,5.37 ; LED99_W3_45.2@245.343,5.37 LED98_W3_45.1@236.937,5.37 ; LED99_W3_45.2@245.933,5.37 LED98_W3_45.1@236.937,5.37
NetLED98_W3_50_1: LED98_W3_50.1 LED99_W3_50.2 | length 18
  Top Layer w0.2: LED99_W3_50.2@94.736,284.6 87.395,284.6 86.805,284.6 LED99_W3_50.2@94.736,284.6 ; LED99_W3_50.2@94.736,284.6 95.801,284.6 LED99_W3_50.2@94.736,284.6
NetLED98_W3_51_1: LED98_W3_51.1 LED99_W3_51.2 | length 18
  Top Layer w0.2: LED98_W3_51.1@86.105,273.89 86.695,273.89 94.036,273.89 95.101,273.89 87.628,273.89 LED98_W3_51.1@86.105,273.89
NetLED98_W3_52_1: LED98_W3_52.1 LED99_W3_52.2 | length 11.4
  Top Layer w0.2: LED98_W3_52.1@86.563,252.39 87.552,252.39 LED98_W3_52.1@87.575,252.368 ; LED98_W3_52.1@87.628,252.39 87.628,251.115 88.243,250.5 94.354,250.5 94.969,251.115 LED99_W3_52.2@94.969,252.39